# Altium PCB MotherBoard.PcbDoc (part 9 of 10)
Units mm, origin at the board's own origin, x right, y up, seen from the top; angles counter-clockwise.
Board outline 200 x 200 mm, 8 copper layers (Top Layer, Ground, Signal Layer 1, Power, Power 2, Signal Layer 2, Ground 2, Bottom Layer), stack 1.494 mm thick; 819 components, 704 nets, 3400 pads, 2339 vias.
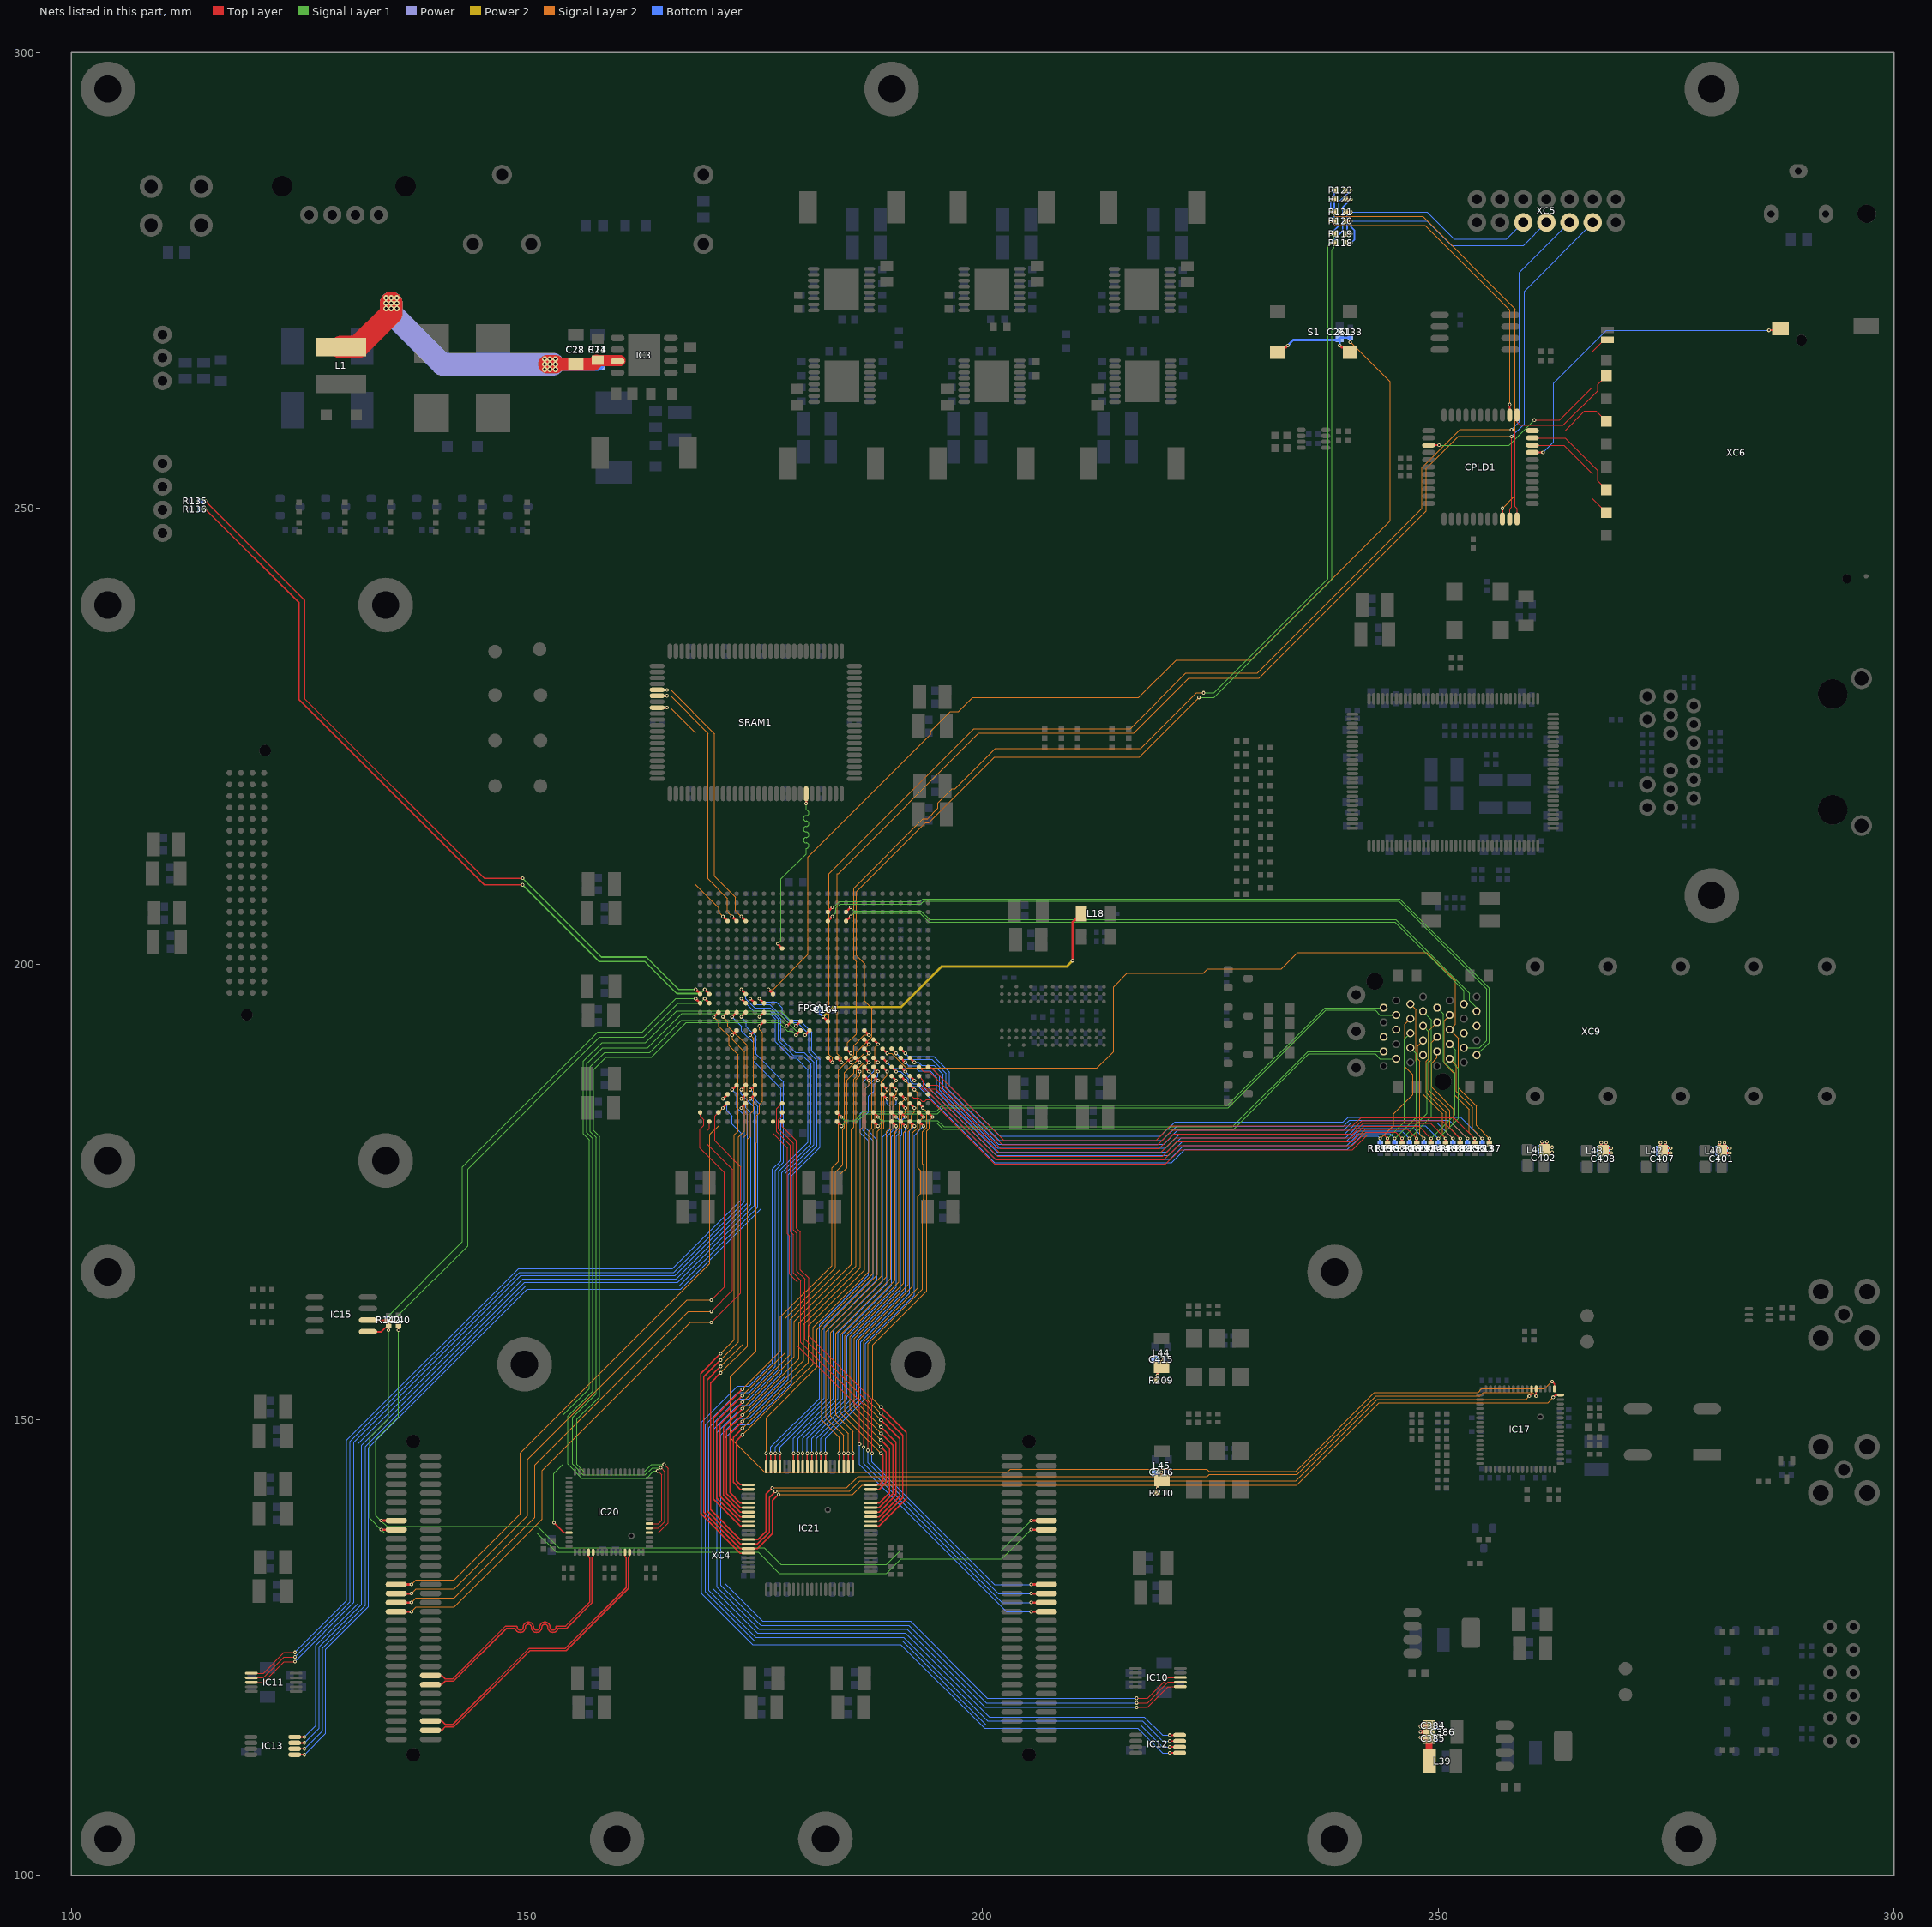
[diagram p15: the nets of this part, all layers, seen from the top]

## Via types
v1: diameter 0.4, hole 0.2, Top Layer to Bottom Layer, tented both sides, 1921 vias
v2: diameter 0.6, hole 0.3, Top Layer to Bottom Layer, tented both sides, 229 vias
v3: diameter 0.7, hole 0.4, Top Layer to Bottom Layer, 128 vias
v4: diameter 0.5, hole 0.2, Top Layer to Bottom Layer, tented both sides, 60 vias
v5: diameter 0.7, hole 0.4, Top Layer to Bottom Layer, tented both sides, 1 vias

## Nets (pads, with @x,y where several pads share a name; then routed paths per layer and width w, separated by ;. In a path a pad name is that pad's centre, name@x,y a point inside that pad or via, vN(x,y) a via of type N, cw(c..) or ccw(c..) an arc to the next point about the centre after c; other vN are vias at no path point) (continued)
RAM_D17: FPGA1.Y17 SRAM1.24 | length 20.9
  Top Layer w0.25: v1(177.5,202.2) FPGA1.Y17@178,201.7 ; v1(180.625,217.6) SRAM1.24@180.625,218.675
  Signal Layer 1 w0.1: v1(177.5,202.2) 177.875,202.575 177.875,209.325 180.625,212.075 180.625,212.675 ccw(c180.625,212.975) 180.625,213.275 cw(c180.625,213.575) 180.625,213.875 ccw(c180.625,214.175) 180.625,214.475 cw(c180.625,214.775) 180.625,215.075 ccw(c180.625,215.375) 180.625,215.675 cw(c180.625,215.975) 180.625,216.275 ccw(c180.625,216.575) 180.625,216.875 180.625,217.175 v1(180.625,217.6)
RAM_LDN: FPGA1.AC21 SRAM1.85 | length 30.3
  Top Layer w0.25: SRAM1.85@164.275,230.075 v1(165.35,230.075) ; v1(173.5,205.2) FPGA1.AC21@174,204.7
  Signal Layer 2 w0.1: v1(165.35,230.075) 165.75,230.075 170.575,225.25 170.575,209.625 172.875,207.325 172.875,205.825 v1(173.5,205.2)
RAM_OEN: FPGA1.AC22 SRAM1.86 | length 29.2
  Top Layer w0.25: SRAM1.86@164.275,229.425 v1(165.35,229.425) ; v1(172.5,205.2) FPGA1.AC22@173,204.7
  Signal Layer 2 w0.1: v1(165.35,229.425) 165.75,229.425 169.875,225.3 169.875,209.32 172,207.195 172,205.693 v1@172.497,205.197
RAM_WEN: FPGA1.AC23 SRAM1.88 | length 27.5
  Top Layer w0.25: SRAM1.88@164.275,228.125 v1(165.35,228.125) ; v1(171.5,205.2) FPGA1.AC23@172,204.7
  Signal Layer 2 w0.1: v1(165.35,228.125) 165.725,228.125 168.45,225.4 168.45,208.75 171.05,206.15 171.05,205.65 v1(171.5,205.2)
RESET_FPGA: C261.1 FPGA1.R18 R133.1 S1.1 | length 129.5
  Top Layer w0.25: v1(176.5,197.2) FPGA1.R18@177,196.7 ; S1.1@232.325,267.075 232.9,267.65 233.275,267.65 v1(233.475,267.85) ; v1(239.175,267.85) 239.375,267.65 239.75,267.65 S1.1@240.325,267.075
  Signal Layer 2 w0.1: v1(176.5,197.2) 176.995,197.2 180.85,201.055 180.85,211.725 194.3,225.175 194.3,225.546 196.454,227.7 197.35,227.7 198.9,229.25 217.125,229.25 221.225,233.35 229.442,233.35 244.7,248.608 244.7,263.85 v1(240.325,268.225)
  Bottom Layer w0.25: v1(233.475,267.85) 234.075,268.45 238.975,268.45 C261.1@239.15,268.625 ; v1(239.175,267.85) C261.1@239.175,268.625 ; C261.1@239.25,268.725 240.233,268.725 R133.1@240.325,268.817 v1(240.325,268.225)
RXD: FPGA1.R26 R135.1 | length 83.6
  Top Layer w0.15: v1(114.708,250.8) 125.575,239.933 125.575,229.125 145.3,209.4 v1(149.5,209.4)
  Top Layer w0.25: v1(168.5,197.2) FPGA1.R26@169,196.7
  Signal Layer 1 w0.15: v1(149.5,209.4) 158.15,200.75 163.1,200.75 166.65,197.2 v1(168.5,197.2)
  Bottom Layer w0.25: R135.1@114.108,250.8 v1(114.708,250.8)
SCL: FPGA1.P25 IC15.6 R140.1 XC4.16 XC4.79 | length 160.2
  Top Layer w0.18: IC15.6@132.546,160.915 135.398,160.915 R140.1@135.898,160.415
  Top Layer w0.25: v1(133.982,138.925) XC4.79@135.648,138.925 ; v1(135.9,159.825) R140.1@135.9,160.417 ; v1(169.5,196.2) FPGA1.P25@170,195.7 ; v1(205.305,138.925) XC4.16@206.972,138.925
  Signal Layer 1 w0.1: v1(169.5,196.2) 169,195.7 166.55,195.7 162.825,191.975 157.975,191.975 143.5,177.5 143.5,169.075 135.9,161.475 v1(135.9,159.825) 135.9,150.275 133.425,147.8 133.425,139.482 v1(133.982,138.925) 134.632,138.275 140.919,138.275 140.929,138.284 151.141,138.284 153.475,135.95 176.025,135.95 177.875,134.1 189.45,134.1 190.95,135.6 201.98,135.6 v1(205.305,138.925)
SCLK: FPGA1.L22 IC17.16 IC21.55 | length 160.2
  Top Layer w0.13: v1(171.246,156.539) 169.418,154.711 169.418,139.832 173.4,135.85 IC21.55@174.275,135.85 175.275,135.85 176.925,137.5 176.925,141.1 v1(177.6,141.775) ; v1(262.6,152.45) 262.85,152.7 IC17.16@263.4,152.7
  Top Layer w0.25: v1(172.5,192.2) FPGA1.L22@173,192.7
  Signal Layer 2 w0.1: v1(171.246,156.539) 173.225,158.518 173.225,181.03 173.875,181.68 173.875,190.325 172.525,191.675 v1@172.525,192.175 ; v1(177.6,141.775) 185.7,141.775 186.75,142.825 234.475,142.825 243.512,151.862 262.013,151.862 v1(262.6,152.45)
SCLK_ADC: FPGA1.M16 IC20.21 | length 88.2
  Top Layer w0.1: IC20.21@163.4,138.1 164.425,138.1 165.121,138.796 165.121,144.271 v1(164.668,144.725)
  Top Layer w0.25: v1(178.5,193.2) FPGA1.M16@179,193.7
  Signal Layer 1 w0.1: v1(164.668,144.725) 164.654,144.711 163.755,144.711 162.969,143.925 156.145,143.925 154.975,145.095 154.975,150.225 157.575,152.825 157.575,180.955 156.95,181.58 156.95,188.725 158.525,190.3 163.447,190.3 166.972,193.825 177.875,193.825 v1(178.5,193.2)
SCLK_RX_ADC: FPGA1.E21 IC13.3 | length 104.3
  Top Layer w0.18: IC13.3@124.5,114.525 v1(125.575,114.525)
  Top Layer w0.25: v1(173.5,186.2) FPGA1.E21@174,186.7
  Bottom Layer w0.1: v1(125.575,114.525) 127.193,116.143 127.193,125.068 131.85,129.725 131.85,147.2 149.725,165.075 166.529,165.075 174.925,173.471 174.925,184.275 173.5,185.7 v1(173.5,186.2)
SCLK_RX_DAC: FPGA1.E22 IC11.7 | length 99.6
  Top Layer w0.1: IC11.7@119.75,121.675 121.075,121.675 123.356,123.956 v1(124.531,123.956)
  Top Layer w0.25: v1(172.5,186.2) FPGA1.E22@173,186.7
  Bottom Layer w0.1: v1(124.531,123.956) 130.6,130.025 130.6,147.6 149.15,166.15 166.084,166.15 173.85,173.916 173.85,183.35 173,184.2 173,185.7 v1(172.5,186.2)
SCLK_RX_DB: FPGA1.C23 XC4.93 | length 71.3
  Top Layer w0.25: XC4.93@135.648,131.915 v1(137.315,131.915) ; v1(171.5,184.2) FPGA1.C23@172,184.7
  Signal Layer 2 w0.1: v1(137.315,131.915) 137.825,132.425 142.025,132.425 149.275,139.675 149.275,146.346 170.05,167.121 170.05,181.275 171.075,182.3 171.075,183.775 v1(171.5,184.2)
SCLK_TX_ADC: FPGA1.N19 IC12.3 | length 131.1
  Top Layer w0.18: v1(220.525,114.725) IC12.3@221.6,114.725
  Top Layer w0.25: v1(175.5,194.2) FPGA1.N19@176,194.7
  Bottom Layer w0.1: v1(175.5,194.2) 175.85,194.55 176.645,194.55 177.25,193.945 177.25,191.45 179.05,189.65 179.55,189.65 180.85,188.35 180.85,180.439 177.65,177.238 177.65,155.525 174.4,152.275 173.118,152.275 169.975,149.132 169.975,131.25 175.1,126.125 191.331,126.125 200.531,116.925 217.525,116.925 219.725,114.725 v1(220.525,114.725)
SCLK_TX_DAC: FPGA1.P20 IC10.7 | length 131.4
  Top Layer w0.1: v1(216.894,118.919) 218.069,118.919 220.35,121.2 IC10.7@221.675,121.2
  Top Layer w0.25: v1(174.5,196.2) FPGA1.P20@175,195.7
  Bottom Layer w0.1: v1(174.5,196.2) 175.15,195.55 176.65,195.55 178.625,193.575 179.65,193.575 180.925,192.3 180.925,190.275 181.825,189.375 181.825,180.035 178.675,176.885 178.675,154.45 174.375,150.15 173.114,150.15 171.3,148.336 171.3,131.799 175.649,127.45 191.88,127.45 200.411,118.919 v1(216.894,118.919)
SCLK_TX_DB: FPGA1.A17 XC4.30 | length 66.1
  Top Layer w0.1: FPGA1.A17@178,182.7 178,182.125 179.55,180.575 179.55,171 180,170.55 180,166.45 180.9,165.55 180.9,159.175 187.85,152.225 v1(187.85,146.3)
  Top Layer w0.25: v1(205.305,131.915) XC4.30@206.972,131.915
  Bottom Layer w0.1: v1(187.85,146.3) 187.85,145.35 201.285,131.915 v1(205.305,131.915)
SD_CLK: CPLD1.22 XC6.5 | length 9.5
  Top Layer w0.1: CPLD1.22@260.325,258.525 263.9,258.525 266.025,260.65 267.314,260.65 XC6.5@268.434,259.53
SD_CS: CPLD1.20 XC6.1 | length 12.8
  Top Layer w0.1: CPLD1.20@260.325,256.925 263.775,256.925 266.9,253.8 266.9,251.064 XC6.1@268.434,249.53
SD_DAT: CPLD1.23 XC6.7 | length 13.4
  Top Layer w0.1: CPLD1.23@258.625,260.225 258.625,259.45 258.95,259.125 263.7,259.125 267.475,262.9 267.475,263.571 XC6.7@268.434,264.53
SD_DET: CPLD1.36 XC6.10 | length 26.7
  Top Layer w0.1: v1(260.525,259.675) 263.325,259.675 266.9,263.25 266.9,267.175 268.185,268.46 XC6.10@268.534,268.46
  Top Layer w0.18: CPLD1.36@248.925,256.925 v1(250.079,256.925)
  Signal Layer 1 w0.1: v1(250.079,256.925) 257.775,256.925 v1(260.525,259.675)
SD_DIN: CPLD1.21 XC6.2 | length 11.1
  Top Layer w0.1: CPLD1.21@260.325,257.725 263.9,257.725 267.475,254.15 267.475,252.989 XC6.2@268.434,252.03
SD_PROT: CPLD1.19 XC6.12 | length 36.6
  Top Layer w0.1: XC6.12@287.367,269.525 XC6.12@287.534,269.692
  Top Layer w0.18: CPLD1.19@260.325,256.125 v1(261.479,256.125) ; v1(286.275,269.525) XC6.12@287.367,269.525
  Bottom Layer w0.1: v1(261.479,256.125) 262.625,257.271 262.625,263.725 268.425,269.525 v1(286.275,269.525)
SDA: FPGA1.P26 IC15.5 R142.1 XC4.18 XC4.81 | length 160.2
  Top Layer w0.18: IC15.5@132.546,159.645 134.028,159.645 R142.1@134.8,160.417
  Top Layer w0.25: v1(133.982,137.934) XC4.81@135.648,137.934 ; v1(134.8,159.825) R142.1@134.8,160.417 ; v1(168.5,196.2) FPGA1.P26@169,195.7 ; v1(205.305,137.934) XC4.18@206.972,137.934
  Signal Layer 1 w0.1: v1(168.5,196.2) 166.35,196.2 162.675,192.525 157.75,192.525 142.925,177.7 142.925,169.52 134.8,161.395 v1(134.8,159.825) 134.8,150.1 132.75,148.05 132.75,139.167 v1(133.982,137.934) 134.332,137.584 151.066,137.584 153.2,135.45 175.35,135.45 177.675,133.125 189.45,133.125 191.025,134.7 202.071,134.7 v1(205.305,137.934)
SDI: FPGA1.N23 IC17.22 IC21.54 | length 159.4
  Top Layer w0.13: v1(171.25,155.836) 169.771,154.357 169.771,139.979 173.4,136.35 175.275,136.35 176.571,137.646 176.571,141.454 v1(177.246,142.129) ; v1(259.975,152.575) 260.225,152.825 IC17.22@260.225,153.375
  Top Layer w0.25: v1(171.5,194.2) FPGA1.N23@172,194.7
  Signal Layer 2 w0.1: v1(171.25,155.836) 173.7,158.286 173.7,180.9 174.125,181.325 174.125,191.075 172.05,193.15 172.05,193.65 v1(171.5,194.2) ; v1(177.246,142.129) 177.258,142.14 185.39,142.14 186.525,143.275 234.375,143.275 243.316,152.216 259.616,152.216 v1(259.975,152.575)
SDI_ADC: FPGA1.L14 IC20.22 | length 91.2
  Top Layer w0.1: IC20.22@163.4,138.6 164.425,138.6 164.768,138.943 164.768,143.918 v1(164.325,144.361)
  Top Layer w0.25: v1(180.5,192.2) FPGA1.L14@181,192.7
  Signal Layer 1 w0.1: v1(164.325,144.361) 163.9,144.361 163.114,143.575 156,143.575 154.475,145.1 154.475,150.39 157.2,153.115 157.2,180.835 156.55,181.485 156.55,189.05 158.3,190.8 163.227,190.8 166.977,194.55 177.65,194.55 179.575,192.625 180.075,192.625 v1(180.5,192.2)
SDI_RX_ADC: FPGA1.D21 IC13.4 | length 102.4
  Top Layer w0.18: IC13.4@124.5,115.175 v1(125.575,115.175)
  Top Layer w0.25: v1(173.5,185.2) FPGA1.D21@174,185.7
  Bottom Layer w0.1: v1(125.575,115.175) 126.825,116.425 126.825,125.2 131.45,129.825 131.45,147.376 149.524,165.45 166.374,165.45 174.55,173.626 174.55,183.655 174,184.205 174,184.7 v1(173.5,185.2)
SDI_RX_DAC: FPGA1.C21 IC11.8 | length 97.9
  Top Layer w0.1: IC11.8@119.75,121.175 121.075,121.175 123.35,123.45 v1(124.525,123.45)
  Top Layer w0.25: v1(173.5,184.2) FPGA1.C21@174,184.7
  Bottom Layer w0.1: v1(124.525,123.45) 131.025,129.95 131.025,147.5 149.325,165.8 166.229,165.8 174.2,173.771 174.2,183.5 v1(173.5,184.2)
SDI_RX_DB: FPGA1.A25 XC4.97 | length 74.2
  Top Layer w0.1: FPGA1.A25@170,182.7 170,181.925 169.775,181.7 169.775,180.2 172.55,177.425 172.55,164.2 v1(170.225,161.875)
  Top Layer w0.25: XC4.97@135.648,129.933 v1(137.315,129.933)
  Signal Layer 2 w0.1: v1(137.315,129.933) 137.838,130.457 142.025,130.457 150.875,139.307 150.875,145.038 167.712,161.875 v1(170.225,161.875)
SDI_TX_ADC: FPGA1.P21 IC12.4 | length 133.3
  Top Layer w0.18: v1(220.525,115.375) IC12.4@221.6,115.375
  Top Layer w0.25: v1(173.5,196.2) FPGA1.P21@174,195.7
  Bottom Layer w0.1: v1(173.5,196.2) 174.85,194.85 176.675,194.85 177.575,193.95 177.575,191.625 179.225,189.975 180.22,189.975 181.15,189.045 181.15,180.264 177.975,177.089 177.975,155.125 174.4,151.55 173.1,151.55 170.425,148.875 170.425,131.437 175.287,126.575 191.518,126.575 200.718,117.375 217.725,117.375 219.725,115.375 v1(220.525,115.375)
SDI_TX_DAC: FPGA1.P19 IC10.8 | length 130.4
  Top Layer w0.1: v1(216.9,119.425) 218.075,119.425 220.35,121.7 IC10.8@221.675,121.7
  Top Layer w0.25: v1(175.5,196.2) FPGA1.P19@176,195.7
  Bottom Layer w0.1: v1(175.5,196.2) 175.85,195.85 177.35,195.85 178,195.2 178,194.575 178.725,193.85 179.9,193.85 181.25,192.5 181.25,190.425 182.15,189.525 182.15,179.9 179.025,176.775 179.025,154.025 174.425,149.425 173.15,149.425 171.725,148 171.725,131.975 175.825,127.875 192.056,127.875 200.506,119.425 v1(216.9,119.425)
SDI_TX_DB: FPGA1.C17 XC4.34 | length 70.1
  Top Layer w0.1: FPGA1.C17@178,184.7 177.4,184.1 177.4,181.575 178.9,180.075 178.9,170.6 179.225,170.275 179.225,166.1 180.05,165.275 180.05,158.475 186.925,151.6 v1(186.925,146.975)
  Top Layer w0.25: v1(205.305,129.933) XC4.34@206.972,129.933
  Bottom Layer w0.1: v1(186.925,146.975) 186.925,145.15 202.142,129.933 v1(205.305,129.933)
SDO: FPGA1.L20 IC17.21 IC21.53 | length 156.9
  Top Layer w0.13: v1(171.25,155.129) 170.125,154.004 170.125,140.125 173.4,136.85 IC21.53@174.275,136.85 175.316,136.85 176.218,137.752 176.218,141.807 v1(176.893,142.482) ; v1(260.725,152.575) IC17.21@260.725,153.375
  Top Layer w0.25: v1(174.5,192.2) FPGA1.L20@175,192.7
  Signal Layer 2 w0.1: v1(171.25,155.129) 174.2,158.079 174.2,180.775 174.5,181.075 174.5,183.6 174.85,183.95 174.85,191.85 v1(174.5,192.2) ; v1(176.893,142.482) 176.946,142.535 185.085,142.535 186.325,143.775 224.65,143.775 224.85,143.975 234.525,143.975 243.15,152.6 254.55,152.6 254.925,152.975 260.325,152.975 v1(260.725,152.575)
SDO_ADC: FPGA1.M15 IC20.61 | length 81.6
  Top Layer w0.13: v1(152.95,138.7) 154.05,137.6 IC20.61@154.6,137.6
  Top Layer w0.25: v1(179.5,193.2) FPGA1.M15@180,193.7
  Signal Layer 1 w0.1: v1(152.95,138.7) 152.95,144.075 153.975,145.1 153.975,150.525 156.825,153.375 156.825,180.68 156.175,181.33 156.175,189.325 158.225,191.375 163,191.375 166.45,194.825 177.875,194.825 v1(179.5,193.2)
SDO_RX_ADC: FPGA1.E20 IC13.1 | length 105.9
  Top Layer w0.18: IC13.1@124.5,113.225 v1(125.575,113.225)
  Top Layer w0.25: v1(174.5,186.2) FPGA1.E20@175,186.7
  Bottom Layer w0.1: v1(125.575,113.225) 127.9,115.55 127.9,124.775 132.625,129.5 132.625,146.925 150,164.3 166.85,164.3 175.7,173.15 175.7,184.45 174.975,185.175 174.975,185.725 v1(174.5,186.2)
SDO_RX_DB: FPGA1.B26 XC4.95 | length 74.1
  Top Layer w0.1: FPGA1.B26@169,183.7 169,183.3 169.4,182.9 169.4,182.3 168.95,181.85 168.95,179.8 171.65,177.1 171.65,164.55 v1(170.225,163.125)
  Top Layer w0.25: XC4.95@135.648,130.924 v1(137.315,130.924)
  Signal Layer 2 w0.1: v1(137.315,130.924) 137.838,131.447 142.025,131.447 150.05,139.472 150.05,145.614 167.561,163.125 v1(170.225,163.125)
SDO_TX_ADC: FPGA1.N22 IC12.1 | length 130.2
  Top Layer w0.18: v1(220.525,113.425) IC12.1@221.6,113.425
  Top Layer w0.25: v1(172.5,194.2) FPGA1.N22@173,194.7
  Bottom Layer w0.1: v1(172.5,194.2) 173.55,193.15 173.55,192.655 174.85,191.355 174.85,189.345 177.85,186.345 177.85,178.4 176.925,177.475 176.925,156.2 174.403,153.678 173.107,153.678 169.175,149.746 169.175,130.919 174.769,125.325 191,125.325 200.2,116.125 217.025,116.125 219.725,113.425 v1(220.525,113.425)
SDO_TX_DB: FPGA1.B17 XC4.32 | length 68.2
  Top Layer w0.1: FPGA1.B17@178,183.7 178,183.275 177.6,182.875 177.6,181.925 179.225,180.3 179.225,170.825 179.625,170.425 179.625,166.275 180.475,165.425 180.475,158.825 187.4,151.9 v1(187.4,146.625)
  Top Layer w0.25: v1(205.305,130.924) XC4.32@206.972,130.924
  Bottom Layer w0.1: v1(187.4,146.625) 187.4,145.25 201.726,130.924 v1(205.305,130.924)
SEN_ADC: FPGA1.L15 IC20.20 | length 89.5
  Top Layer w0.1: IC20.20@163.4,137.6 164.4,137.6 165.475,138.675 165.475,144.625 v1(165.025,145.075)
  Top Layer w0.25: v1(179.5,192.2) FPGA1.L15@180,192.7
  Signal Layer 1 w0.1: v1(165.025,145.075) 163.65,145.075 162.85,144.275 156.29,144.275 155.475,145.09 155.475,150.05 157.95,152.525 157.95,181.075 157.325,181.7 157.325,188.425 158.65,189.75 163.652,189.75 167.477,193.575 177.63,193.575 178.58,192.625 179.075,192.625 v1(179.5,192.2)
SEN_CLK: FPGA1.M19 IC17.17 | length 144.5
  Top Layer w0.13: v1(262.475,154.175) 262.725,153.925 IC17.17@262.725,153.375
  Top Layer w0.25: v1(175.5,193.2) FPGA1.M19@176,193.7
  Signal Layer 2 w0.1: v1(175.5,193.2) 175.5,192.8 175.85,192.45 175.85,184.95 175.5,184.6 175.5,183.65 175.2,183.35 175.2,180.425 175.125,180.35 175.125,157.525 172.325,154.725 172.325,147.975 176.075,144.225 202.675,144.225 203.025,144.575 224.575,144.575 224.825,144.325 234.35,144.325 243,152.975 254.35,152.975 254.75,153.375 261.675,153.375 v1(262.475,154.175)
SEN_DAC: FPGA1.N24 IC21.56 | length 65
  Top Layer w0.13: v1(171.25,157.25) 169.064,155.064 169.064,139.686 173.4,135.35 IC21.56@174.275,135.35
  Top Layer w0.25: v1(170.5,194.2) FPGA1.N24@171,194.7
  Signal Layer 2 w0.1: v1(170.5,194.2) 171.05,193.65 171.05,193.15 172.15,192.05 172.15,191.05 173.15,190.05 173.15,181.65 172.75,181.25 172.75,158.75 v1(171.25,157.25)
SEN_RX_ADC: FPGA1.D20 IC13.2 | length 103.9
  Top Layer w0.18: IC13.2@124.5,113.875 v1(125.575,113.875)
  Top Layer w0.25: v1(174.5,185.2) FPGA1.D20@175,185.7
  Bottom Layer w0.1: v1(125.575,113.875) 127.547,115.847 127.547,124.921 132.25,129.625 132.25,147.05 149.875,164.675 166.695,164.675 175.325,173.305 175.325,184.375 v1(174.5,185.2)
SEN_RX_DAC: FPGA1.D23 IC11.6 | length 98.2
  Top Layer w0.1: IC11.6@119.75,122.175 121.075,122.175 123.356,124.456 v1(124.531,124.456)
  Top Layer w0.25: v1(171.5,185.2) FPGA1.D23@172,185.7
  Bottom Layer w0.1: v1(124.531,124.456) 130.225,130.15 130.225,147.742 149.058,166.575 165.975,166.575 173.5,174.1 173.5,181.438 172.5,182.438 172.5,183.325 171.95,183.875 171.95,184.75 v1(171.5,185.2)
SEN_RX_DB: FPGA1.B24 XC4.99 | length 76.5
  Top Layer w0.1: v1(170.225,160.675) 173.45,163.9 173.45,177.725 170.6,180.575 170.6,183.3 FPGA1.B24@171,183.7
  Top Layer w0.25: XC4.99@135.648,128.917 v1(137.315,128.917)
  Signal Layer 2 w0.1: v1(137.315,128.917) 137.838,129.441 142.025,129.441 151.675,139.091 151.675,144.4 167.95,160.675 v1(170.225,160.675)
SEN_TX_ADC: FPGA1.N21 IC12.2 | length 129.1
  Top Layer w0.18: v1(220.525,114.075) IC12.2@221.6,114.075
  Top Layer w0.25: v1(173.5,194.2) FPGA1.N21@174,194.7
  Bottom Layer w0.1: v1(173.5,194.2) 174.075,193.625 174.075,193.125 175.125,192.075 175.125,190.08 178.15,187.055 178.15,178.225 177.275,177.35 177.275,155.85 174.4,152.975 173.111,152.975 169.575,149.439 169.575,131.084 174.934,125.725 191.166,125.725 200.366,116.525 217.275,116.525 219.725,114.075 v1(220.525,114.075)
SEN_TX_DAC: FPGA1.R21 IC10.6 | length 133.6
  Top Layer w0.1: v1(216.894,118.419) 218.069,118.419 220.35,120.7 IC10.6@221.675,120.7
  Top Layer w0.25: v1(173.5,197.2) FPGA1.R21@174,196.7
  Bottom Layer w0.1: v1(173.5,197.2) 174,196.7 174,196.175 175,195.175 176.675,195.175 177.875,193.975 177.875,191.85 179.45,190.275 180.425,190.275 181.5,189.2 181.5,180.169 178.325,176.994 178.325,154.775 174.4,150.85 173.107,150.85 170.85,148.593 170.85,131.613 175.463,127 191.694,127 200.269,118.425 210.908,118.425 210.914,118.419 v1(216.894,118.419)
SEN_TX_DB: FPGA1.A18 XC4.36 | length 68.8
  Top Layer w0.1: FPGA1.A18@177,182.7 177,181.375 178.575,179.8 178.575,170.375 178.8,170.15 178.8,165.95 179.65,165.1 179.65,158.125 186.475,151.3 v1(186.475,147.3)
  Top Layer w0.25: v1(205.305,128.917) XC4.36@206.972,128.917
  Bottom Layer w0.1: v1(186.475,147.3) 186.475,145.05 202.608,128.917 v1(205.305,128.917)
SFP1_RX_N: FPGA1.AD12 XC9.L12 | length 85.1
  Top Layer w0.25: FPGA1.AD12@183,205.7 v1(183.5,206.2)
  Signal Layer 1 w0.1: v1(183.5,206.2) 183.625,206.2 184.25,206.825 193.096,206.825 193.421,207.15 245.754,207.15 255.575,197.329 255.575,191.385 XC9.L12@254.19,190
SFP1_RX_P: FPGA1.AC12 XC9.L13 | length 86
  Top Layer w0.25: FPGA1.AC12@183,204.7 v1(183.5,205.2)
  Signal Layer 1 w0.1: v1(183.5,205.2) 183.9,205.6 183.9,206.121 184.354,206.575 193.2,206.575 193.525,206.9 245.65,206.9 255.325,197.225 255.325,191.6 254.525,190.8 XC9.L13@252.8,190.8
SFP1_TX_N: FPGA1.AC10 XC9.L19 | length 73.1
  Top Layer w0.25: FPGA1.AC10@185,204.7 v1(185.5,205.2)
  Signal Layer 1 w0.1: v1(185.5,205.2) 185.875,205.575 193.1,205.575 194.075,204.6 245.246,204.6 252.8,197.046 XC9.L19@252.8,195.6
SFP1_TX_P: FPGA1.AD10 XC9.L18 | length 74.8
  Top Layer w0.25: FPGA1.AD10@185,205.7 v1(185.5,206.2)
  Signal Layer 1 w0.1: v1(185.5,206.2) 185.875,205.825 193.204,205.825 194.179,204.85 245.35,204.85 253.425,196.775 253.425,195.975 254.19,195.21 XC9.L18@254.19,194.8
SFP1_VCCRX: C407.1 L42.2 XC9.L15 | length 7.4
  Top Layer w0.25: L42.2@274.372,179.46 v1(274.372,180.38) ; L42.2@274.561,179.249 v1(275.481,179.249) ; L42.2@274.561,179.779 v1(275.481,179.779) ; L42.2@274.902,179.46 v1(274.902,180.38)